# KiCad board panel.kicad_pcb (continued)
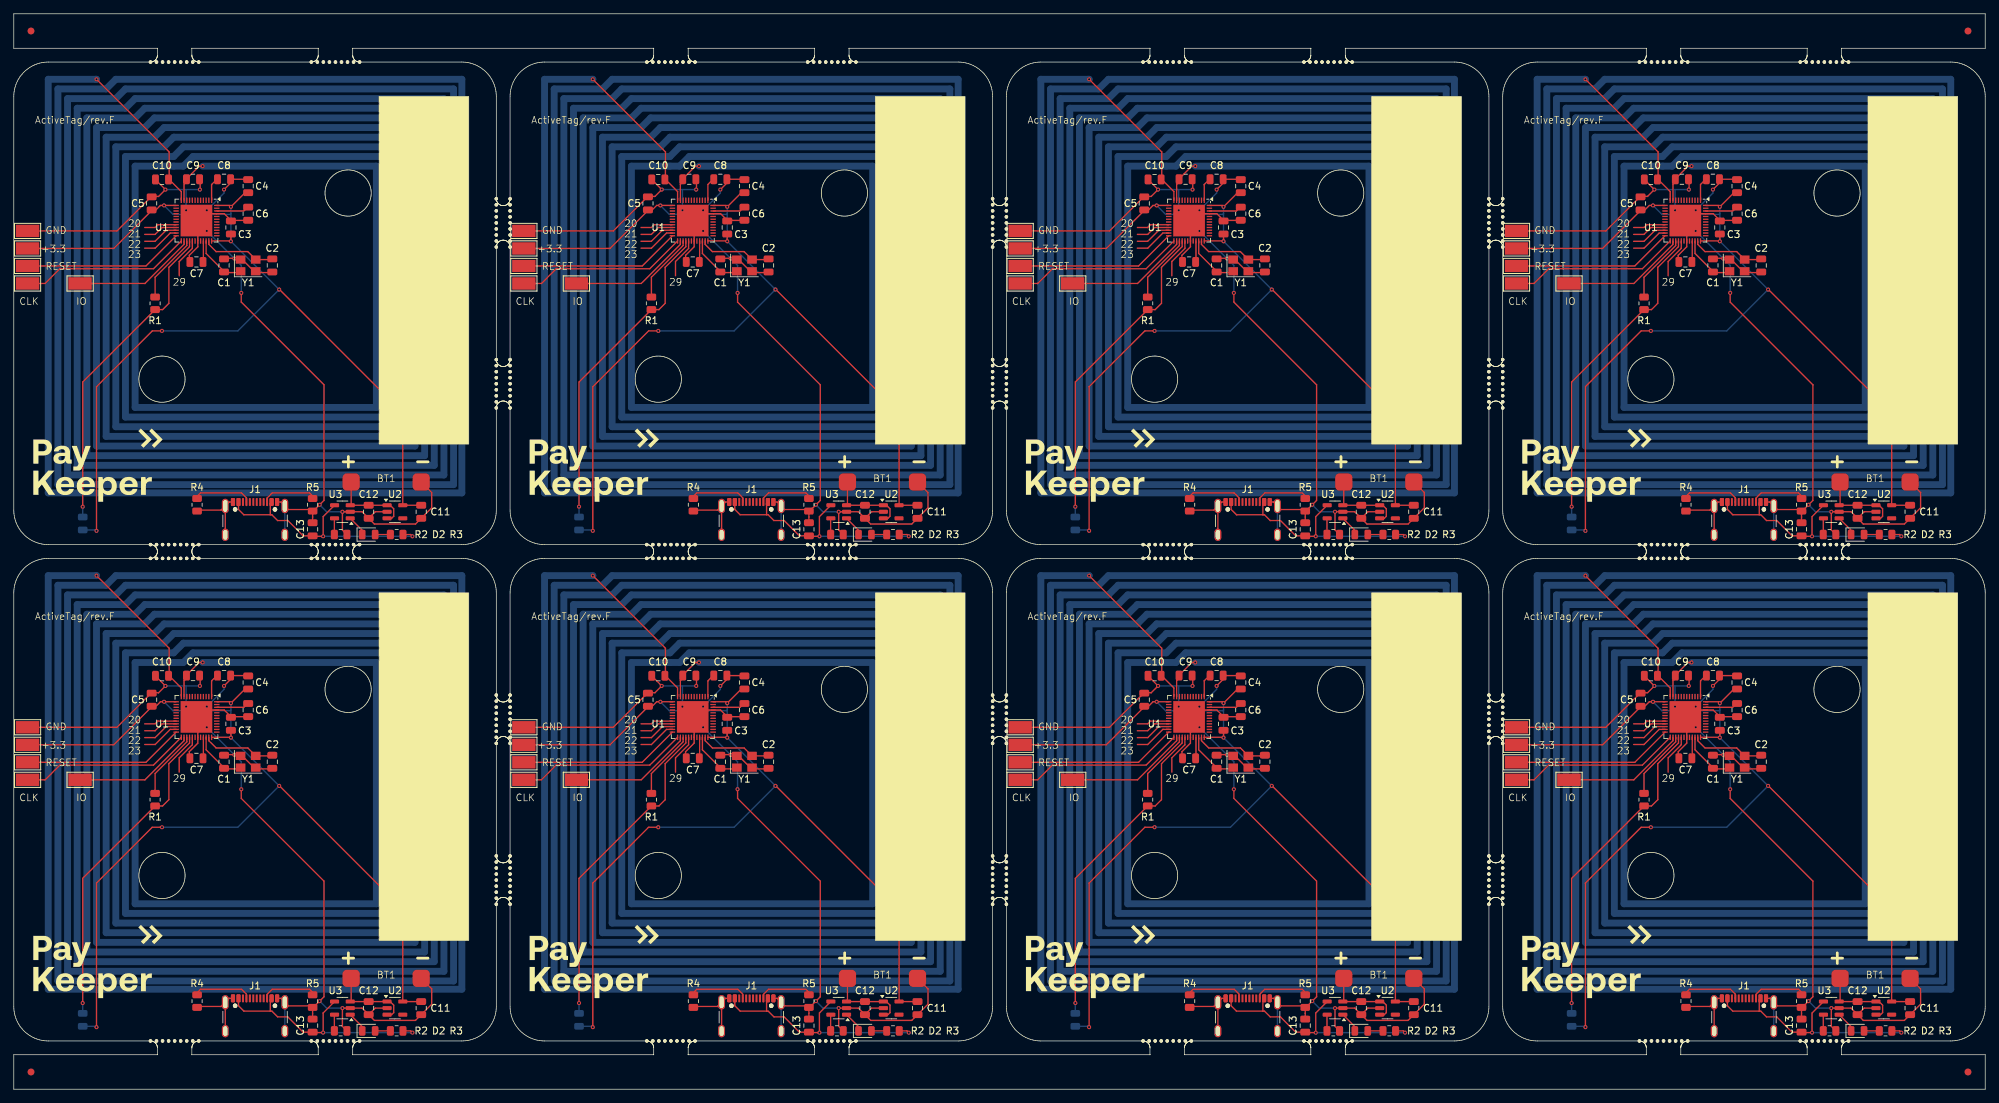
[diagram p0: board, top side]
## Routing (per net, layer and track width the routed paths; a pad name or vN(x,y) marks a point on that pad's centre or on a via; arc(x,y) is an arc through that point) (continued)
  Bottom w1: v1(171.4,133.9) 196.6,133.9 196.6,98.9 161.6,98.9 161.6,133.9 168.6,133.9 170,135.3 198,135.3 198,97.5 160.2,97.5 160.2,135.3 167.2,135.3 168.6,136.7 199.4,136.7 199.4,96.1 158.8,96.1 158.8,136.7 165.8,136.7 167.2,138.1 200.8,138.1 200.8,94.7 157.4,94.7 157.4,138.1 164.4,138.1 165.8,139.5 202.2,139.5 202.2,93.3 156,93.3 156,139.5 163,139.5 164.4,140.9 203.6,140.9 203.6,91.9 154.6,91.9 154.6,140.9 161.6,140.9 163,142.3 205,142.3 205,90.5 153.2,90.5 153.2,142.3 160.2,142.3 161.6,143.7 206.4,143.7 206.4,89.1 151.8,89.1 151.8,143.7 158.8,143.7 160.2,145.1 207.8,145.1 207.8,87.7 150.4,87.7 150.4,145.1 157.4,145.1 158.8,146.5 209,146.5 209,86.5 149,86.5 149,146.5 v1(156,146.5) 155.9,146.5
Board_2-Net-(U1-P0.21/~{RESET}): length 23.4
  Top w0.2: TP3#8.1 163.17,119.42 U1#4.24
Board_2-Net-(U1-P0.22): length 10
  Top w0.2: R1#2.1 164.5,117.79 169.1,122.39 U1#4.27
Board_2-Net-(U1-SWDCLK): length 24.9
  Top w0.2: TP2#8.1 148.54,116.88 150.68,119.02 164.27,119.02 U1#4.25
Board_2-Net-(U1-SWDIO): length 17.9
  Top w0.2: TP1#4.1 163.03,116.88 168.7,122.56 U1#4.26
Board_2-Net-(U1-XC1): length 8.1
  Top w0.2: U1#4.34 171.9,121.24 174.5,118.64 174.5,118.46 176.71,118.46 Y1#5.1
Board_2-Net-(U1-XC2): length 10.7
  Top w0.2: U1#4.35 172.3,122.56 173.35,121.5 177.95,121.5 Y1#5.3 181.31,120.35 181.5,120.54
Board_2-Net-(U3-PROG): length 2.4
  Top w0.2: R2.1 190.51,82.78 U3#6.5
Board_2-Net-(U3-V_{CC}): length 36
  Top w0.2: 181.22,83.33 181.22,85 J1#3.A9 ; 181.22,83.33 181.44,83.33 182.27,82.49 183.75,82.49 185.97,80.27 C13#5.1 187.42,80.21 v1(188.88,80.21) 188.88,83.06 U3#6.4 ; 181.22,83.33 177.38,83.33 176.6,84.11 176.6,84.68 ; R3#5.1 201.58,80.46 v1(201.83,80.21)
  Bottom w0.2: v1(201.83,80.21) v1(188.88,80.21)
Board_2-unconnected-(U1-P0.17-Pad20): length 4.7
  Top w0.2: U1#4.20 164.9,125.4 164.5,125 163,125
Board_2-unconnected-(U1-P0.18/SWO-Pad21): length 5
  Top w0.2: U1#4.21 165.5,125 164.5,124 163,124
Board_2-unconnected-(U1-P0.19-Pad22): length 5.2
  Top w0.2: U1#4.22 166.1,124.6 164.5,123 163,123
Board_2-unconnected-(U1-P0.20-Pad23): length 5.5
  Top w0.2: U1#4.23 166.7,124.2 164.5,122 163,122
Board_2-unconnected-(U1-P0.24-Pad29): length 5.8
  Top w0.2: U1#4.29 169.9,121.97 168,120.07 168,118
Board_3-+3.3V: length 154.8
  Top w0.2: C11#6.1 U2#2.5 272.43,98.12 254.55,116 v1(254.5,116) ; v1(228,81) 228,101.91 236.09,110 v1(237.5,110) ; U1#6.48 247.3,128.2 v1(247.5,128) 249.46,129.96 250,129.96 ; 236.5,127.43 237.27,128.2 v1(237.8,128.2) U1#6.13 ; 236,127.46 230.5,121.96 TP5.1 ; v1(247.5,123) 247.55,123.05 ; v1(247.5,123) 247.45,123.05 U1#6.36 ; v1(247.5,123) 247.5,123.96
  Bottom w0.2: 247.5,127 v1(247.5,123) v1(254.5,116) 248.5,110 v1(237.5,110) ; 247.5,127 247.4,126.9 239.1,126.9 v1(237.8,128.2) ; 247.5,127 v1(247.5,128) ; v1(228,81) 227.88,81.13 D1#6.2
Board_3-GND: length 164.2
  Top w0.2: 253.5,118.46 251.54,118.46 251.35,118.65 Y1.2 250.85,118.65 249.15,120.35 Y1.4 248.71,120.54 246.5,120.54 ; C12#5.2 268.31,81.99 274.27,81.99 C11#6.2 276.63,84.34 276.63,86.56 BT1#5.2 ; C12#5.2 268.43,83.76 U2#2.2 ; C12#5.2 266.53,83.76 U3#2.2 v1(263.67,83.76) 263.67,81.12 R2#3.2 ; v1(246.5,130.5) 247.54,131.54 247.54,132 247.5,132 249.96,132 250,132.04 ; 250,125.96 249.93,126.04 247.5,126.04 246.54,127 U1#6.45 243.5,127 U1#6.49 242.7,125.8 U1#6.31 242.7,122.2 241.46,120.96 241.46,120 241.54,119.93 ; J1#4.A1 247.25,85.18 J1#4.S1 ; TP4#6.1 230.96,124.5 236,129.54 ; J1#4.S1 J1#4.S1 ; J1#4.S1 246.07,84 242.5,84 ; 236.46,131.97 236.53,131.97 v1(238,130.5) 237.01,129.51 236.5,129.51 ; 243.04,131.97 243.04,130.54 v1(243,130.5) ; v1(249,115.51) 249,114.18 261,102.18 261,85.41 259.68,84.09 255.84,84.09 J1#4.S1 254.75,85.18 J1#4.A12 ; C13#7.2 R5.2
  Bottom w0.2: v1(241,127.5) 241,130.5 ; v1(260.37,84.78) 261.39,83.76 v1(263.67,83.76) ; v1(238,130.5) v1(243,130.5) ; v1(246.5,130.5) 246.5,130 v1(244,127.5) ; v1(244,124.5) v1(248,120.5) 249,119.5 v1(249,115.51) ; J1#4.S1 J1#4.S1
Board_3-Net-(BT1-+): length 12.1
  Top w0.2: BT1#5.1 264.94,84.85 U3#2.3 C12#5.1 U2#2.1 270.6,84.71 271.12,84.19 271.12,83.11 270.82,82.81 U2#2.3
Board_3-Net-(D1-K): length 47.1
  Top w0.2: U1#6.28 241.5,122.22 238.5,119.22 238.5,114 237.59,113.09 R1#7.2 226,102.59 v1(226,84.5)
  Bottom w0.2: v1(226,84.5) D1#6.1
Board_3-Net-(D2-A): length 2.2
  Top w0.2: D2#8.2 R3.2
Board_3-Net-(D2-K): length 3.1
  Top w0.2: D2#8.1 266.54,81.08 U3#2.1
Board_3-Net-(J1-CC1): length 9
  Top w0.2: J1#4.A5 249.75,85.79 249.04,86.5 243.09,86.5 242.5,85.91 ; 249.75,85.29 249.75,84.68
Board_3-Net-(J1-CC2): length 8.5
  Top w0.2: 252.75,85.26 252.75,84.68 ; J1#4.B5 252.75,85.76 253.5,86.5 258.91,86.5 259.5,85.91
Board_3-Net-(U1-DEC1): length 3.4
  Top w0.2: 245.46,132 244.7,131.24 U1#6.1
Board_3-Net-(U1-DEC3): length 3.1
  Top w0.2: 243.54,120 243.5,120.04 U1#6.33
Board_3-Net-(U1-DEC4): length 4.8
  Top w0.2: U1#6.46 249.36,127.4 250,128.04
Board_3-Net-(U1-NFC1/P0.09): length 1922.3
  Top w0.2: U1#6.11 240.7,131.28 240.96,131.54 240.96,131.97 242.89,133.9 v1(243.4,133.9) 243.4,134.1 ; v1(228,146.5) 238.54,135.96 238.54,131.97 240.3,130.21 U1#6.12
  Bottom w1: v1(243.4,133.9) 268.6,133.9 268.6,98.9 233.6,98.9 233.6,133.9 240.6,133.9 242,135.3 270,135.3 270,97.5 232.2,97.5 232.2,135.3 239.2,135.3 240.6,136.7 271.4,136.7 271.4,96.1 230.8,96.1 230.8,136.7 237.8,136.7 239.2,138.1 272.8,138.1 272.8,94.7 229.4,94.7 229.4,138.1 236.4,138.1 237.8,139.5 274.2,139.5 274.2,93.3 228,93.3 228,139.5 235,139.5 236.4,140.9 275.6,140.9 275.6,91.9 226.6,91.9 226.6,140.9 233.6,140.9 235,142.3 277,142.3 277,90.5 225.2,90.5 225.2,142.3 232.2,142.3 233.6,143.7 278.4,143.7 278.4,89.1 223.8,89.1 223.8,143.7 230.8,143.7 232.2,145.1 279.8,145.1 279.8,87.7 222.4,87.7 222.4,145.1 229.4,145.1 230.8,146.5 281,146.5 281,86.5 221,86.5 221,146.5 v1(228,146.5) 227.9,146.5
Board_3-Net-(U1-P0.21/~{RESET}): length 23.4
  Top w0.2: U1#6.24 235.17,119.42 TP3#4.1
Board_3-Net-(U1-P0.22): length 10
  Top w0.2: R1#7.1 236.5,117.79 241.1,122.39 U1#6.27
Board_3-Net-(U1-SWDCLK): length 24.9
  Top w0.2: TP2#7.1 220.54,116.88 222.68,119.02 236.27,119.02 U1#6.25
Board_3-Net-(U1-SWDIO): length 17.9
  Top w0.2: U1#6.26 240.7,122.56 235.03,116.88 TP1#2.1
Board_3-Net-(U1-XC1): length 8.1
  Top w0.2: U1#6.34 243.9,121.24 246.5,118.64 246.5,118.46 248.71,118.46 Y1.1
Board_3-Net-(U1-XC2): length 10.7
  Top w0.2: 253.5,120.54 253.31,120.35 Y1.3 249.95,121.5 245.35,121.5 244.3,122.56 U1#6.35
Board_3-Net-(U3-PROG): length 2.4
  Top w0.2: R2#3.1 262.51,82.78 U3#2.5
Board_3-Net-(U3-V_{CC}): length 36
  Top w0.2: 253.21,83.33 253.21,85 J1#4.A9 ; 253.21,83.33 253.44,83.33 254.27,82.49 255.75,82.49 257.97,80.27 C13#7.1 259.42,80.21 v1(260.88,80.21) 260.88,83.06 U3#2.4 ; 253.21,83.33 249.38,83.33 248.6,84.11 248.6,84.68 ; v1(273.83,80.21) 273.58,80.46 R3.1
  Bottom w0.2: v1(273.83,80.21) v1(260.88,80.21)
Board_3-unconnected-(U1-P0.17-Pad20): length 4.7
  Top w0.2: U1#6.20 236.9,125.4 236.5,125 235,125
Board_3-unconnected-(U1-P0.18/SWO-Pad21): length 5
  Top w0.2: U1#6.21 237.5,125 236.5,124 235,124
Board_3-unconnected-(U1-P0.19-Pad22): length 5.2
  Top w0.2: 235,123 236.5,123 238.1,124.6 U1#6.22
Board_3-unconnected-(U1-P0.20-Pad23): length 5.5
  Top w0.2: U1#6.23 238.7,124.2 236.5,122 235,122
Board_3-unconnected-(U1-P0.24-Pad29): length 5.8
  Top w0.2: U1#6.29 241.9,121.97 240,120.07 240,118
Board_4-+3.3V: length 154.8
  Top w0.2: v1(31.5,51) 31.45,51.05 U1#2.36 ; v1(31.5,51) 31.5,51.96 ; v1(31.5,51) 31.55,51.05 ; v1(21.5,38) 20.09,38 12,29.91 v1(12,9) ; 20.5,55.43 21.27,56.2 v1(21.8,56.2) U1#2.13 ; TP5#8.1 14.5,49.96 20,55.46 ; C11#5.1 U2#4.5 56.43,26.12 38.55,44 v1(38.5,44) ; U1#2.48 31.3,56.2 v1(31.5,56) 33.46,57.96 34,57.96
  Bottom w0.2: 31.5,55 31.4,54.9 23.1,54.9 v1(21.8,56.2) ; 31.5,55 v1(31.5,51) v1(38.5,44) 32.5,38 v1(21.5,38) ; 31.5,55 v1(31.5,56) ; v1(12,9) 11.88,9.13 D1#7.2
Board_4-GND: length 164.2
  Top w0.2: v1(27,58.5) 27.04,58.54 27.04,59.97 ; 20.5,57.51 21.01,57.51 v1(22,58.5) 20.53,59.97 20.46,59.97 ; 30.5,48.54 32.71,48.54 Y1#6.4 33.15,48.35 34.85,46.65 Y1#6.2 35.35,46.65 35.54,46.46 37.5,46.46 ; C12#6.2 50.53,11.76 U3#8.2 v1(47.67,11.76) 47.67,9.12 R2#7.2 ; C12#6.2 52.43,11.76 U2#4.2 ; C12#6.2 52.31,9.99 58.27,9.99 C11#5.2 60.63,12.34 60.63,14.56 BT1#7.2 ; v1(33,43.51) 33,42.18 45,30.18 45,13.41 43.68,12.09 39.84,12.09 J1#7.S1 38.74,13.18 J1#7.A12 ; J1#7.S1 31.26,13.18 J1#7.A1 ; J1#7.S1 30.08,12 26.5,12 ; J1#7.S1 J1#7.S1 ; v1(30.5,58.5) 31.54,59.54 31.54,60 31.5,60 33.96,60 34,60.04 ; 20,57.54 14.96,52.5 TP4#7.1 ; 25.54,47.93 25.46,48 25.46,48.96 26.7,50.2 U1#2.31 26.7,53.8 U1#2.49 27.5,55 U1#2.45 30.54,55 31.5,54.04 33.92,54.04 34,53.96 ; R5#4.2 C13#3.2
  Bottom w0.2: v1(25,55.5) 25,58.5 ; v1(30.5,58.5) 30.5,58 v1(28,55.5) ; v1(27,58.5) v1(22,58.5) ; v1(33,43.51) 33,47.5 v1(32,48.5) v1(28,52.5) ; J1#7.S1 J1#7.S1 ; v1(47.67,11.76) 45.39,11.76 v1(44.37,12.78)
Board_4-Net-(BT1-+): length 12.1
  Top w0.2: BT1#7.1 48.94,12.85 U3#8.3 C12#6.1 U2#4.1 54.6,12.71 55.12,12.19 55.12,11.11 54.82,10.81 U2#4.3
Board_4-Net-(D1-K): length 47.1
  Top w0.2: v1(10,12.5) 10,30.59 R1#3.2 21.59,41.09 22.5,42 22.5,47.22 25.5,50.22 U1#2.28
  Bottom w0.2: v1(10,12.5) D1#7.1
Board_4-Net-(D2-A): length 2.2
  Top w0.2: D2#7.2 R3#6.2
Board_4-Net-(D2-K): length 3.1
  Top w0.2: D2#7.1 50.54,9.08 U3#8.1
Board_4-Net-(J1-CC1): length 9
  Top w0.2: 26.5,13.91 27.09,14.5 33.04,14.5 33.75,13.79 J1#7.A5 ; 33.75,13.29 33.75,12.68
Board_4-Net-(J1-CC2): length 8.5
  Top w0.2: J1#7.B5 36.75,13.76 37.5,14.5 42.91,14.5 43.5,13.91 ; 36.75,13.26 36.75,12.68
Board_4-Net-(U1-DEC1): length 3.4
  Top w0.2: 29.46,60 28.7,59.24 U1#2.1
Board_4-Net-(U1-DEC3): length 3.1
  Top w0.2: U1#2.33 27.5,48.04 27.54,48
Board_4-Net-(U1-DEC4): length 4.8
  Top w0.2: 34,56.04 33.36,55.4 U1#2.46
Board_4-Net-(U1-NFC1/P0.09): length 1922.3
  Top w0.2: U1#2.11 24.7,59.28 24.96,59.54 24.96,59.97 26.89,61.9 v1(27.4,61.9) 27.4,62.1 ; U1#2.12 24.3,58.21 22.54,59.97 22.54,63.96 v1(12,74.5)
  Bottom w1: v1(27.4,61.9) 52.6,61.9 52.6,26.9 17.6,26.9 17.6,61.9 24.6,61.9 26,63.3 54,63.3 54,25.5 16.2,25.5 16.2,63.3 23.2,63.3 24.6,64.7 55.4,64.7 55.4,24.1 14.8,24.1 14.8,64.7 21.8,64.7 23.2,66.1 56.8,66.1 56.8,22.7 13.4,22.7 13.4,66.1 20.4,66.1 21.8,67.5 58.2,67.5 58.2,21.3 12,21.3 12,67.5 19,67.5 20.4,68.9 59.6,68.9 59.6,19.9 10.6,19.9 10.6,68.9 17.6,68.9 19,70.3 61,70.3 61,18.5 9.2,18.5 9.2,70.3 16.2,70.3 17.6,71.7 62.4,71.7 62.4,17.1 7.8,17.1 7.8,71.7 14.8,71.7 16.2,73.1 63.8,73.1 63.8,15.7 6.4,15.7 6.4,73.1 13.4,73.1 14.8,74.5 65,74.5 65,14.5 5,14.5 5,74.5 v1(12,74.5) 11.9,74.5
Board_4-Net-(U1-P0.21/~{RESET}): length 23.4
  Top w0.2: U1#2.24 19.17,47.42 TP3#7.1
Board_4-Net-(U1-P0.22): length 10
  Top w0.2: U1#2.27 25.1,50.39 20.5,45.79 R1#3.1
Board_4-Net-(U1-SWDCLK): length 24.9
  Top w0.2: U1#2.25 20.27,47.02 6.68,47.02 4.54,44.88 TP2#3.1
Board_4-Net-(U1-SWDIO): length 17.9
  Top w0.2: TP1#8.1 19.03,44.88 24.7,50.56 U1#2.26
Board_4-Net-(U1-XC1): length 8.1
  Top w0.2: U1#2.34 27.9,49.24 30.5,46.64 30.5,46.46 32.71,46.46 Y1#6.1
Board_4-Net-(U1-XC2): length 10.7
  Top w0.2: U1#2.35 28.3,50.56 29.35,49.5 33.95,49.5 Y1#6.3 37.31,48.35 37.5,48.54
Board_4-Net-(U3-PROG): length 2.4
  Top w0.2: R2#7.1 46.51,10.78 U3#8.5
Board_4-Net-(U3-V_{CC}): length 36
  Top w0.2: 37.22,11.33 37.22,13 J1#7.A9 ; 37.22,11.33 37.44,11.33 38.27,10.49 39.75,10.49 41.97,8.27 C13#3.1 43.42,8.21 v1(44.88,8.21) 44.88,11.06 U3#8.4 ; 37.22,11.33 33.38,11.33 32.6,12.11 32.6,12.68 ; v1(57.83,8.21) 57.58,8.46 R3#6.1
  Bottom w0.2: v1(57.83,8.21) v1(44.88,8.21)
Board_4-unconnected-(U1-P0.17-Pad20): length 4.7
  Top w0.2: 19,53 20.5,53 20.9,53.4 U1#2.20
Board_4-unconnected-(U1-P0.18/SWO-Pad21): length 5
  Top w0.2: U1#2.21 21.5,53 20.5,52 19,52
Board_4-unconnected-(U1-P0.19-Pad22): length 5.2
  Top w0.2: 19,51 20.5,51 22.1,52.6 U1#2.22
Board_4-unconnected-(U1-P0.20-Pad23): length 5.5
  Top w0.2: 19,50 20.5,50 22.7,52.2 U1#2.23
Board_4-unconnected-(U1-P0.24-Pad29): length 5.8
  Top w0.2: U1#2.29 25.9,49.97 24,48.07 24,46
Board_5-+3.3V: length 154.8
  Top w0.2: TP5#5.1 86.5,49.96 92,55.46 ; 92.5,55.43 93.27,56.2 v1(93.8,56.2) U1#3.13 ; v1(84,9) 84,29.91 92.09,38 v1(93.5,38) ; 106,57.96 105.46,57.96 v1(103.5,56) 103.3,56.2 U1#3.48 ; v1(103.5,51) 103.5,51.96 ; v1(103.5,51) 103.55,51.05 ; v1(103.5,51) 103.45,51.05 U1#3.36 ; C11.1 U2#5.5 128.43,26.12 110.55,44 v1(110.5,44)
  Bottom w0.2: v1(103.5,56) 103.5,55 ; 103.5,55 v1(103.5,51) v1(110.5,44) 104.5,38 v1(93.5,38) ; 103.5,55 103.4,54.9 95.1,54.9 v1(93.8,56.2) ; D1#5.2 83.88,9.13 v1(84,9)
Board_5-GND: length 164.2
  Top w0.2: v1(105,43.51) 105,42.18 117,30.18 117,13.41 115.68,12.09 111.84,12.09 J1#5.S1 110.75,13.18 J1#5.A12 ; C13#6.2 R5#3.2 ; J1#5.S1 J1#5.S1 ; J1#5.S1 102.08,12 98.5,12 ; J1#5.S1 103.25,13.18 J1#5.A1 ; 92.46,59.97 92.53,59.97 v1(94,58.5) 93.01,57.51 92.5,57.51 ; v1(102.5,58.5) 103.54,59.54 103.54,60 103.5,60 105.96,60 106,60.04 ; 102.5,48.54 104.71,48.54 Y1#4.4 105.15,48.35 106.85,46.65 Y1#4.2 107.35,46.65 107.54,46.46 109.5,46.46 ; 92,57.54 86.96,52.5 TP4.1 ; C12.2 124.43,11.76 U2#5.2 ; C12.2 122.53,11.76 U3#5.2 v1(119.67,11.76) 119.67,9.12 R2#2.2 ; C12.2 124.31,9.99 130.27,9.99 C11.2 132.63,12.34 132.63,14.56 BT1#6.2 ; 97.54,47.93 97.46,48 97.46,48.96 98.7,50.2 U1#3.31 98.7,53.8 U1#3.49 99.5,55 U1#3.45 102.54,55 103.5,54.04 105.92,54.04 106,53.96 ; v1(99,58.5) 99.04,58.54 99.04,59.97
  Bottom w0.2: v1(99,58.5) v1(94,58.5) ; v1(100,55.5) 102.5,58 v1(102.5,58.5) ; v1(105,43.51) 105,47.5 v1(104,48.5) v1(100,52.5) ; v1(116.37,12.78) 117.39,11.76 v1(119.67,11.76) ; J1#5.S1 J1#5.S1 ; v1(97,55.5) 97,58.5
Board_5-Net-(BT1-+): length 12.1
  Top w0.2: BT1#6.1 120.94,12.85 U3#5.3 C12.1 U2#5.1 126.6,12.71 127.12,12.19 127.12,11.11 126.82,10.81 U2#5.3
Board_5-Net-(D1-K): length 47.1
  Top w0.2: v1(82,12.5) 82,30.59 R1#5.2 93.59,41.09 94.5,42 94.5,47.22 97.5,50.22 U1#3.28
  Bottom w0.2: v1(82,12.5) D1#5.1
Board_5-Net-(D2-A): length 2.2
  Top w0.2: D2#3.2 R3#8.2
Board_5-Net-(D2-K): length 3.1
  Top w0.2: U3#5.1 122.54,9.08 D2#3.1
Board_5-Net-(J1-CC1): length 9
  Top w0.2: 98.5,13.91 99.09,14.5 105.04,14.5 105.75,13.79 J1#5.A5 ; 105.75,13.29 105.75,12.68
Board_5-Net-(J1-CC2): length 8.5
  Top w0.2: 108.75,13.26 108.75,12.68 ; J1#5.B5 108.75,13.76 109.5,14.5 114.91,14.5 115.5,13.91
Board_5-Net-(U1-DEC1): length 3.4
  Top w0.2: U1#3.1 100.7,59.24 101.46,60
Board_5-Net-(U1-DEC3): length 3.1
  Top w0.2: 99.54,48 99.5,48.04 U1#3.33
Board_5-Net-(U1-DEC4): length 4.8
  Top w0.2: 106,56.04 105.36,55.4 U1#3.46
Board_5-Net-(U1-NFC1/P0.09): length 1922.3
  Top w0.2: U1#3.11 96.7,59.28 96.96,59.54 96.96,59.97 98.89,61.9 v1(99.4,61.9) 99.4,62.1 ; v1(84,74.5) 94.54,63.96 94.54,59.97 96.3,58.21 U1#3.12
  Bottom w1: v1(99.4,61.9) 124.6,61.9 124.6,26.9 89.6,26.9 89.6,61.9 96.6,61.9 98,63.3 126,63.3 126,25.5 88.2,25.5 88.2,63.3 95.2,63.3 96.6,64.7 127.4,64.7 127.4,24.1 86.8,24.1 86.8,64.7 93.8,64.7 95.2,66.1 128.8,66.1 128.8,22.7 85.4,22.7 85.4,66.1 92.4,66.1 93.8,67.5 130.2,67.5 130.2,21.3 84,21.3 84,67.5 91,67.5 92.4,68.9 131.6,68.9 131.6,19.9 82.6,19.9 82.6,68.9 89.6,68.9 91,70.3 133,70.3 133,18.5 81.2,18.5 81.2,70.3 88.2,70.3 89.6,71.7 134.4,71.7 134.4,17.1 79.8,17.1 79.8,71.7 86.8,71.7 88.2,73.1 135.8,73.1 135.8,15.7 78.4,15.7 78.4,73.1 85.4,73.1 86.8,74.5 137,74.5 137,14.5 77,14.5 77,74.5 v1(84,74.5) 83.9,74.5
Board_5-Net-(U1-P0.21/~{RESET}): length 23.4
  Top w0.2: U1#3.24 91.17,47.42 TP3#5.1
Board_5-Net-(U1-P0.22): length 10
  Top w0.2: R1#5.1 92.5,45.79 97.1,50.39 U1#3.27
Board_5-Net-(U1-SWDCLK): length 24.9
  Top w0.2: U1#3.25 92.27,47.02 78.68,47.02 76.54,44.88 TP2#6.1
Board_5-Net-(U1-SWDIO): length 17.9
  Top w0.2: TP1.1 91.03,44.88 96.7,50.56 U1#3.26
Board_5-Net-(U1-XC1): length 8.1
  Top w0.2: Y1#4.1 104.71,46.46 102.5,46.46 102.5,46.64 99.9,49.24 U1#3.34
Board_5-Net-(U1-XC2): length 10.7
  Top w0.2: U1#3.35 100.3,50.56 101.35,49.5 105.95,49.5 Y1#4.3 109.31,48.35 109.5,48.54
Board_5-Net-(U3-PROG): length 2.4
  Top w0.2: R2#2.1 118.51,10.78 U3#5.5
Board_5-Net-(U3-V_{CC}): length 36
  Top w0.2: 104.6,12.68 104.6,12.11 105.38,11.33 109.22,11.33 ; 109.22,11.33 109.44,11.33 110.27,10.49 111.75,10.49 113.97,8.27 C13#6.1 115.42,8.21 v1(116.88,8.21) 116.88,11.06 U3#5.4 ; 109.22,11.33 109.22,13 J1#5.A9 ; R3#8.1 129.58,8.46 v1(129.83,8.21)
  Bottom w0.2: v1(129.83,8.21) v1(116.88,8.21)
Board_5-unconnected-(U1-P0.17-Pad20): length 4.7
  Top w0.2: 91,53 92.5,53 92.9,53.4 U1#3.20
Board_5-unconnected-(U1-P0.18/SWO-Pad21): length 5
  Top w0.2: U1#3.21 93.5,53 92.5,52 91,52
Board_5-unconnected-(U1-P0.19-Pad22): length 5.2
  Top w0.2: 91,51 92.5,51 94.1,52.6 U1#3.22
Board_5-unconnected-(U1-P0.20-Pad23): length 5.5
  Top w0.2: 91,50 92.5,50 94.7,52.2 U1#3.23
Board_5-unconnected-(U1-P0.24-Pad29): length 5.8
  Top w0.2: 96,46 96,48.07 97.9,49.97 U1#3.29
Board_6-+3.3V: length 154.8
  Top w0.2: 164,55.46 158.5,49.96 TP5#7.1 ; U1#7.48 175.3,56.2 v1(175.5,56) 177.46,57.96 178,57.96 ; 164.5,55.43 165.27,56.2 v1(165.8,56.2) U1#7.13 ; v1(165.5,38) 164.09,38 156,29.91 v1(156,9) ; U1#7.36 175.45,51.05 v1(175.5,51) ; v1(175.5,51) 175.5,51.96 ; v1(175.5,51) 175.55,51.05 ; v1(182.5,44) 182.55,44 200.43,26.12 U2#8.5 C11#8.1
  Bottom w0.2: D1.2 155.88,9.13 v1(156,9) ; v1(165.5,38) 176.5,38 v1(182.5,44) v1(175.5,51) 175.5,55 ; 175.5,55 v1(175.5,56) ; 175.5,55 175.4,54.9 167.1,54.9 v1(165.8,56.2)
Board_6-GND: length 164.2
  Top w0.2: J1#8.A1 175.25,13.18 J1#8.S1 ; C12#4.2 194.53,11.76 U3.2 v1(191.67,11.76) 191.67,9.12 R2#6.2 ; C12#4.2 196.43,11.76 U2#8.2 ; C12#4.2 196.31,9.99 202.27,9.99 C11#8.2 204.63,12.34 204.63,14.56 BT1.2 ; 164.46,59.97 164.53,59.97 v1(166,58.5) 165.01,57.51 164.5,57.51 ; 174.5,48.54 176.71,48.54 Y1#2.4 177.15,48.35 178.85,46.65 Y1#2.2 179.35,46.65 179.54,46.46 181.5,46.46 ; 171.04,59.97 171.04,58.54 v1(171,58.5) ; 178,53.96 177.93,54.04 175.5,54.04 174.54,55 U1#7.45 171.5,55 U1#7.49 170.7,53.8 U1#7.31 170.7,50.2 169.46,48.96 169.46,48 169.54,47.93 ; 178,60.04 177.96,60 175.5,60 175.54,60 175.54,59.54 v1(174.5,58.5) ; J1#8.A12 182.75,13.18 J1#8.S1 183.84,12.09 187.68,12.09 189,13.41 189,30.18 177,42.18 v1(177,43.51) ; J1#8.S1 174.07,12 170.5,12 ; J1#8.S1 J1#8.S1 ; R5#5.2 C13#2.2 ; TP4#2.1 158.96,52.5 164,57.54
  Bottom w0.2: v1(169,55.5) 169,58.5 ; v1(188.37,12.78) 189.39,11.76 v1(191.67,11.76) ; J1#8.S1 J1#8.S1 ; v1(166,58.5) v1(171,58.5) ; v1(172,55.5) 174.5,58 v1(174.5,58.5) ; v1(172,52.5) v1(176,48.5) 177,47.5 v1(177,43.51)
Board_6-Net-(BT1-+): length 12.1
  Top w0.2: U2#8.3 198.82,10.81 199.12,11.11 199.12,12.19 198.6,12.71 U2#8.1 C12#4.1 U3.3 192.94,12.85 BT1.1
Board_6-Net-(D1-K): length 47.1
  Top w0.2: U1#7.28 169.5,50.22 166.5,47.22 166.5,42 165.59,41.09 R1#6.2 154,30.59 v1(154,12.5)
  Bottom w0.2: v1(154,12.5) D1.1
Board_6-Net-(D2-A): length 2.2
  Top w0.2: D2.2 R3#2.2
Board_6-Net-(D2-K): length 3.1
  Top w0.2: D2.1 194.54,9.08 U3.1
Board_6-Net-(J1-CC1): length 9
  Top w0.2: 170.5,13.91 171.09,14.5 177.04,14.5 177.75,13.79 J1#8.A5 ; 177.75,13.29 177.75,12.68
Board_6-Net-(J1-CC2): length 8.5
  Top w0.2: 180.75,13.26 180.75,12.68 ; J1#8.B5 180.75,13.76 181.5,14.5 186.91,14.5 187.5,13.91
Board_6-Net-(U1-DEC1): length 3.4
  Top w0.2: U1#7.1 172.7,59.24 173.46,60
Board_6-Net-(U1-DEC3): length 3.1
  Top w0.2: 171.54,48 171.5,48.04 U1#7.33
Board_6-Net-(U1-DEC4): length 4.8
  Top w0.2: 178,56.04 177.36,55.4 U1#7.46
Board_6-Net-(U1-NFC1/P0.09): length 1922.3
  Top w0.2: U1#7.11 168.7,59.28 168.96,59.54 168.96,59.97 170.89,61.9 v1(171.4,61.9) 171.4,62.1 ; v1(156,74.5) 166.54,63.96 166.54,59.97 168.3,58.21 U1#7.12
  Bottom w1: v1(171.4,61.9) 196.6,61.9 196.6,26.9 161.6,26.9 161.6,61.9 168.6,61.9 170,63.3 198,63.3 198,25.5 160.2,25.5 160.2,63.3 167.2,63.3 168.6,64.7 199.4,64.7 199.4,24.1 158.8,24.1 158.8,64.7 165.8,64.7 167.2,66.1 200.8,66.1 200.8,22.7 157.4,22.7 157.4,66.1 164.4,66.1 165.8,67.5 202.2,67.5 202.2,21.3 156,21.3 156,67.5 163,67.5 164.4,68.9 203.6,68.9 203.6,19.9 154.6,19.9 154.6,68.9 161.6,68.9 163,70.3 205,70.3 205,18.5 153.2,18.5 153.2,70.3 160.2,70.3 161.6,71.7 206.4,71.7 206.4,17.1 151.8,17.1 151.8,71.7 158.8,71.7 160.2,73.1 207.8,73.1 207.8,15.7 150.4,15.7 150.4,73.1 157.4,73.1 158.8,74.5 209,74.5 209,14.5 149,14.5 149,74.5 v1(156,74.5) 155.9,74.5
Board_6-Net-(U1-P0.21/~{RESET}): length 23.4
  Top w0.2: U1#7.24 163.17,47.42 TP3#3.1
Board_6-Net-(U1-P0.22): length 10
  Top w0.2: U1#7.27 169.1,50.39 164.5,45.79 R1#6.1
Board_6-Net-(U1-SWDCLK): length 24.9
  Top w0.2: TP2#2.1 148.54,44.88 150.68,47.02 164.27,47.02 U1#7.25
Board_6-Net-(U1-SWDIO): length 17.9
  Top w0.2: TP1#6.1 163.03,44.88 168.7,50.56 U1#7.26
Board_6-Net-(U1-XC1): length 8.1
  Top w0.2: Y1#2.1 176.71,46.46 174.5,46.46 174.5,46.64 171.9,49.24 U1#7.34
Board_6-Net-(U1-XC2): length 10.7
  Top w0.2: U1#7.35 172.3,50.56 173.35,49.5 177.95,49.5 Y1#2.3 181.31,48.35 181.5,48.54
Board_6-Net-(U3-PROG): length 2.4
  Top w0.2: U3.5 190.51,10.78 R2#6.1
Board_6-Net-(U3-V_{CC}): length 36
  Top w0.2: 181.22,11.33 177.38,11.33 176.6,12.11 176.6,12.68 ; 181.22,11.33 181.44,11.33 182.27,10.49 183.75,10.49 185.97,8.27 C13#2.1 187.42,8.21 v1(188.88,8.21) 188.88,11.06 U3.4 ; 181.22,11.33 181.22,13 J1#8.A9 ; v1(201.83,8.21) 201.58,8.46 R3#2.1
  Bottom w0.2: v1(201.83,8.21) v1(188.88,8.21)
Board_6-unconnected-(U1-P0.17-Pad20): length 4.7
  Top w0.2: U1#7.20 164.9,53.4 164.5,53 163,53
Board_6-unconnected-(U1-P0.18/SWO-Pad21): length 5
  Top w0.2: 163,52 164.5,52 165.5,53 U1#7.21
Board_6-unconnected-(U1-P0.19-Pad22): length 5.2
  Top w0.2: U1#7.22 166.1,52.6 164.5,51 163,51
Board_6-unconnected-(U1-P0.20-Pad23): length 5.5
  Top w0.2: 163,50 164.5,50 166.7,52.2 U1#7.23
Board_6-unconnected-(U1-P0.24-Pad29): length 5.8
  Top w0.2: 168,46 168,48.07 169.9,49.97 U1#7.29
Board_7-+3.3V: length 154.8
  Top w0.2: C11#2.1 U2#7.5 272.43,26.12 254.55,44 v1(254.5,44) ; U1#5.13 v1(237.8,56.2) 237.27,56.2 236.5,55.43 ; v1(237.5,38) 236.09,38 228,29.91 v1(228,9) ; U1#5.36 247.45,51.05 v1(247.5,51) ; v1(247.5,51) 247.55,51.05 ; v1(247.5,51) 247.5,51.96 ; 250,57.96 249.46,57.96 v1(247.5,56) 247.3,56.2 U1#5.48 ; TP5#4.1 230.5,49.96 236,55.46
  Bottom w0.2: v1(237.5,38) 248.5,38 v1(254.5,44) v1(247.5,51) 247.5,55 ; v1(247.5,56) 247.5,55 ; 247.5,55 247.4,54.9 239.1,54.9 v1(237.8,56.2) ; D1#2.2 227.88,9.13 v1(228,9)
Board_7-GND: length 164.2
  Top w0.2: R5#7.2 C13#4.2 ; BT1#2.2 276.63,14.56 276.63,12.34 C11#2.2 274.27,9.99 268.31,9.99 C12#8.2 ; 253.5,46.46 251.54,46.46 251.35,46.65 Y1#8.2 250.85,46.65 249.15,48.35 Y1#8.4 248.71,48.54 246.5,48.54 ; 236.5,57.51 237.01,57.51 v1(238,58.5) 236.53,59.97 236.46,59.97 ; R2#5.2 263.67,9.12 v1(263.67,11.76) U3#3.2 266.53,11.76 C12#8.2 ; C12#8.2 268.43,11.76 U2#7.2 ; J1#6.S1 J1#6.S1 ; J1#6.S1 246.07,12 242.5,12 ; J1#6.S1 247.25,13.18 J1#6.A1 ; v1(246.5,58.5) 247.54,59.54 247.54,60 247.5,60 249.96,60 250,60.04 ; 250,53.96 249.93,54.04 247.5,54.04 246.54,55 U1#5.45 243.5,55 U1#5.49 242.7,53.8 U1#5.31 242.7,50.2 241.46,48.96 241.46,48 241.54,47.93 ; v1(243,58.5) 243.04,58.54 243.04,59.97 ; v1(249,43.51) 249,42.18 261,30.18 261,13.41 259.68,12.09 255.84,12.09 J1#6.S1 254.75,13.18 J1#6.A12 ; 236,57.54 230.96,52.5 TP4#3.1
  Bottom w0.2: v1(249,43.51) 249,47.5 v1(248,48.5) v1(244,52.5) ; v1(260.37,12.78) 261.39,11.76 v1(263.67,11.76) ; v1(244,55.5) 246.5,58 v1(246.5,58.5) ; v1(243,58.5) v1(238,58.5) ; J1#6.S1 J1#6.S1 ; v1(241,55.5) 241,58.5
Board_7-Net-(BT1-+): length 12.1
  Top w0.2: U2#7.3 270.82,10.81 271.12,11.11 271.12,12.19 270.6,12.71 U2#7.1 C12#8.1 U3#3.3 264.94,12.85 BT1#2.1
Board_7-Net-(D1-K): length 47.1
  Top w0.2: U1#5.28 241.5,50.22 238.5,47.22 238.5,42 237.59,41.09 R1#8.2 226,30.59 v1(226,12.5)
  Bottom w0.2: v1(226,12.5) D1#2.1
Board_7-Net-(D2-A): length 2.2
  Top w0.2: D2#5.2 R3#4.2
Board_7-Net-(D2-K): length 3.1
  Top w0.2: U3#3.1 266.54,9.08 D2#5.1
Board_7-Net-(J1-CC1): length 9
  Top w0.2: 249.75,13.29 249.75,12.68 ; 242.5,13.91 243.09,14.5 249.04,14.5 249.75,13.79 J1#6.A5
Board_7-Net-(J1-CC2): length 8.5
  Top w0.2: J1#6.B5 252.75,13.76 253.5,14.5 258.91,14.5 259.5,13.91 ; 252.75,13.26 252.75,12.68
Board_7-Net-(U1-DEC1): length 3.4
  Top w0.2: 245.46,60 244.7,59.24 U1#5.1
Board_7-Net-(U1-DEC3): length 3.1
  Top w0.2: U1#5.33 243.5,48.04 243.54,48
Board_7-Net-(U1-DEC4): length 4.8
  Top w0.2: 250,56.04 249.36,55.4 U1#5.46
Board_7-Net-(U1-NFC1/P0.09): length 1922.3
  Top w0.2: v1(228,74.5) 238.54,63.96 238.54,59.97 240.3,58.21 U1#5.12 ; 243.4,62.1 v1(243.4,61.9) 242.89,61.9 240.96,59.97 240.96,59.54 240.7,59.28 U1#5.11
  Bottom w1: v1(243.4,61.9) 268.6,61.9 268.6,26.9 233.6,26.9 233.6,61.9 240.6,61.9 242,63.3 270,63.3 270,25.5 232.2,25.5 232.2,63.3 239.2,63.3 240.6,64.7 271.4,64.7 271.4,24.1 230.8,24.1 230.8,64.7 237.8,64.7 239.2,66.1 272.8,66.1 272.8,22.7 229.4,22.7 229.4,66.1 236.4,66.1 237.8,67.5 274.2,67.5 274.2,21.3 228,21.3 228,67.5 235,67.5 236.4,68.9 275.6,68.9 275.6,19.9 226.6,19.9 226.6,68.9 233.6,68.9 235,70.3 277,70.3 277,18.5 225.2,18.5 225.2,70.3 232.2,70.3 233.6,71.7 278.4,71.7 278.4,17.1 223.8,17.1 223.8,71.7 230.8,71.7 232.2,73.1 279.8,73.1 279.8,15.7 222.4,15.7 222.4,73.1 229.4,73.1 230.8,74.5 281,74.5 281,14.5 221,14.5 221,74.5 v1(228,74.5) 227.9,74.5
